# Altium PCB HPowerv2.PcbDoc
Units mm, origin at the board's own origin, x right, y up, seen from the top; angles counter-clockwise.
Board outline 52.32 x 76.58 mm, 2 copper layers (Top Layer, Bottom Layer); 35 components, 15 nets, 108 pads, 4 vias.
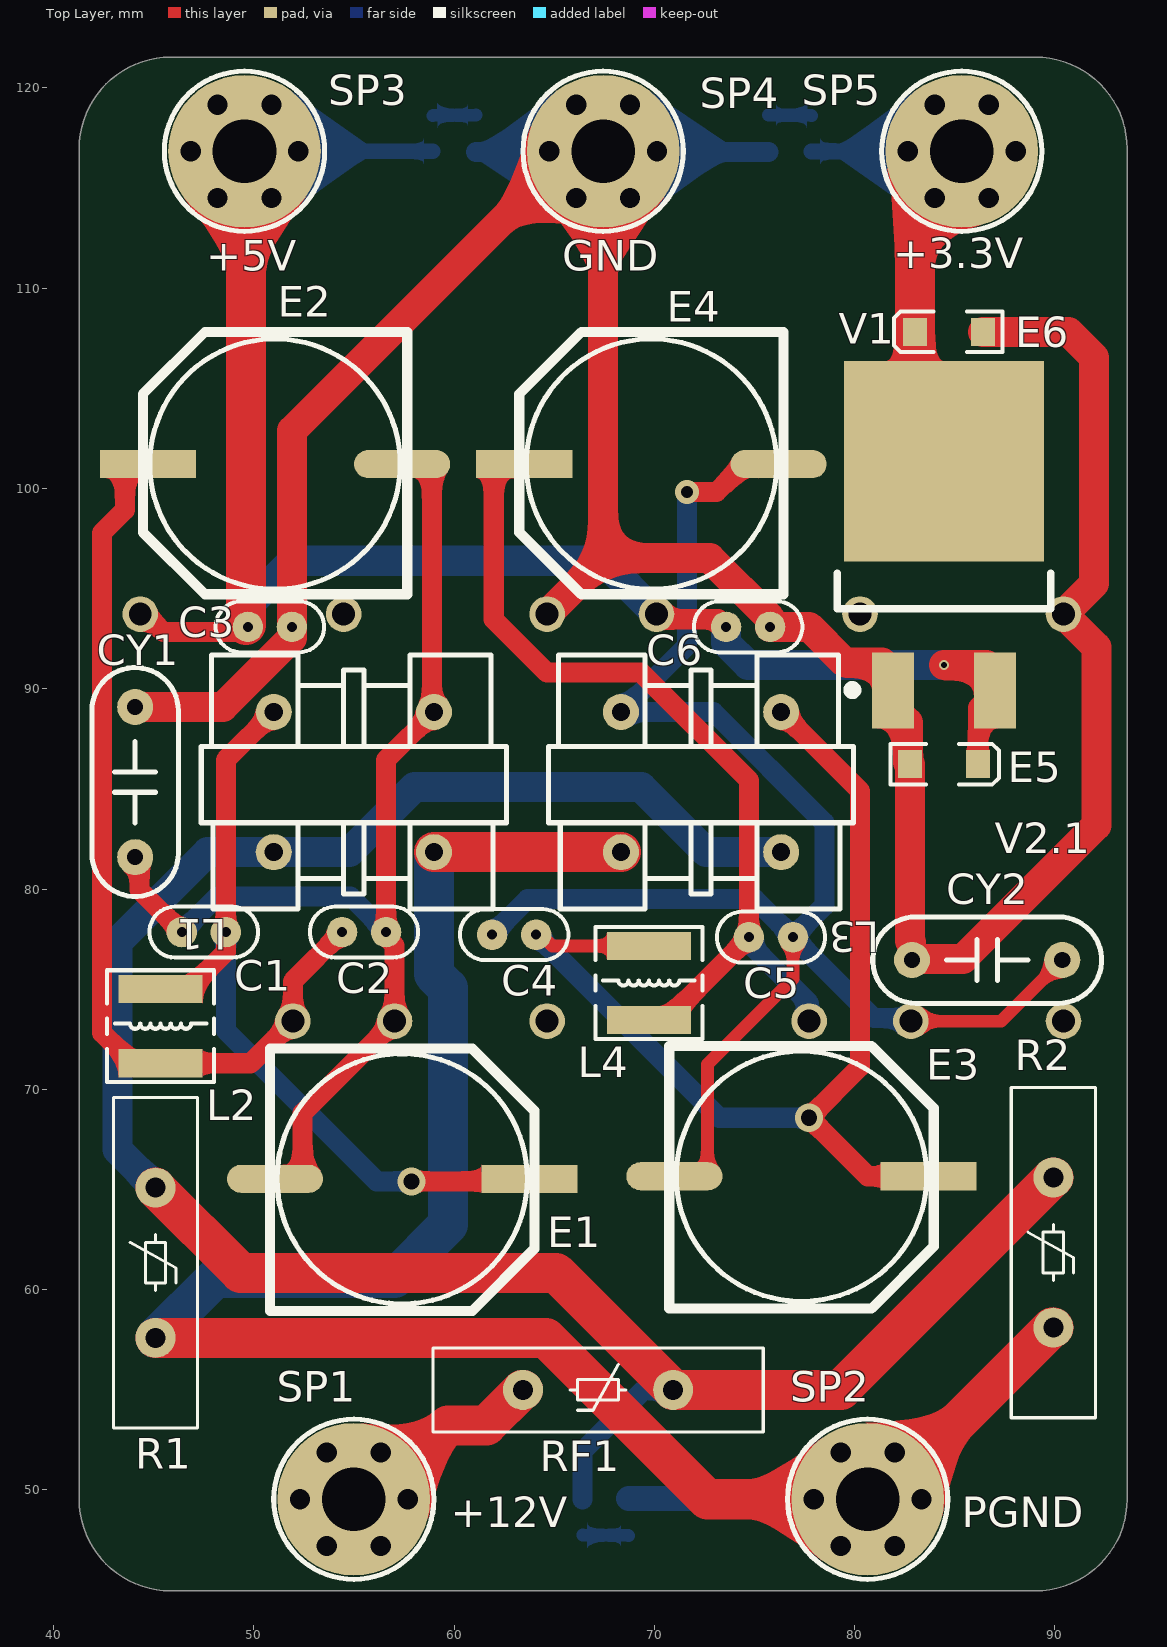
[diagram p0: Top Layer view]
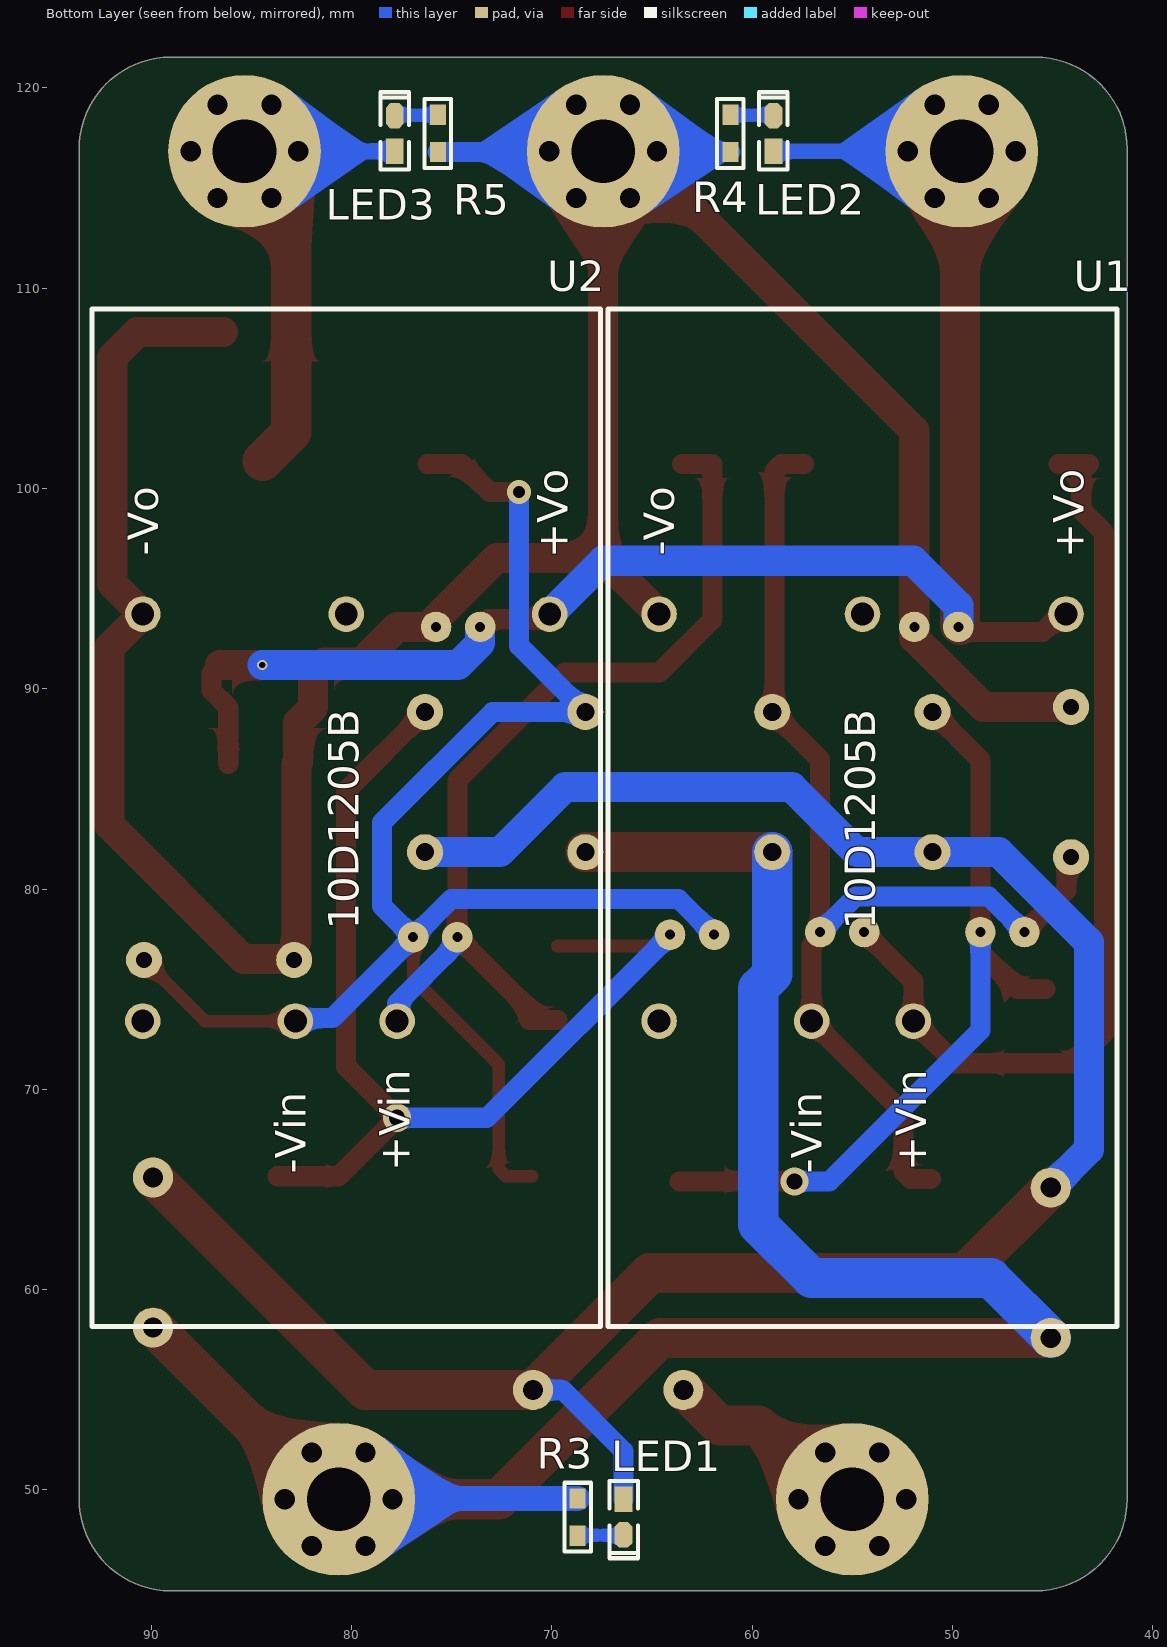
[diagram p1: Bottom Layer view, seen from below]
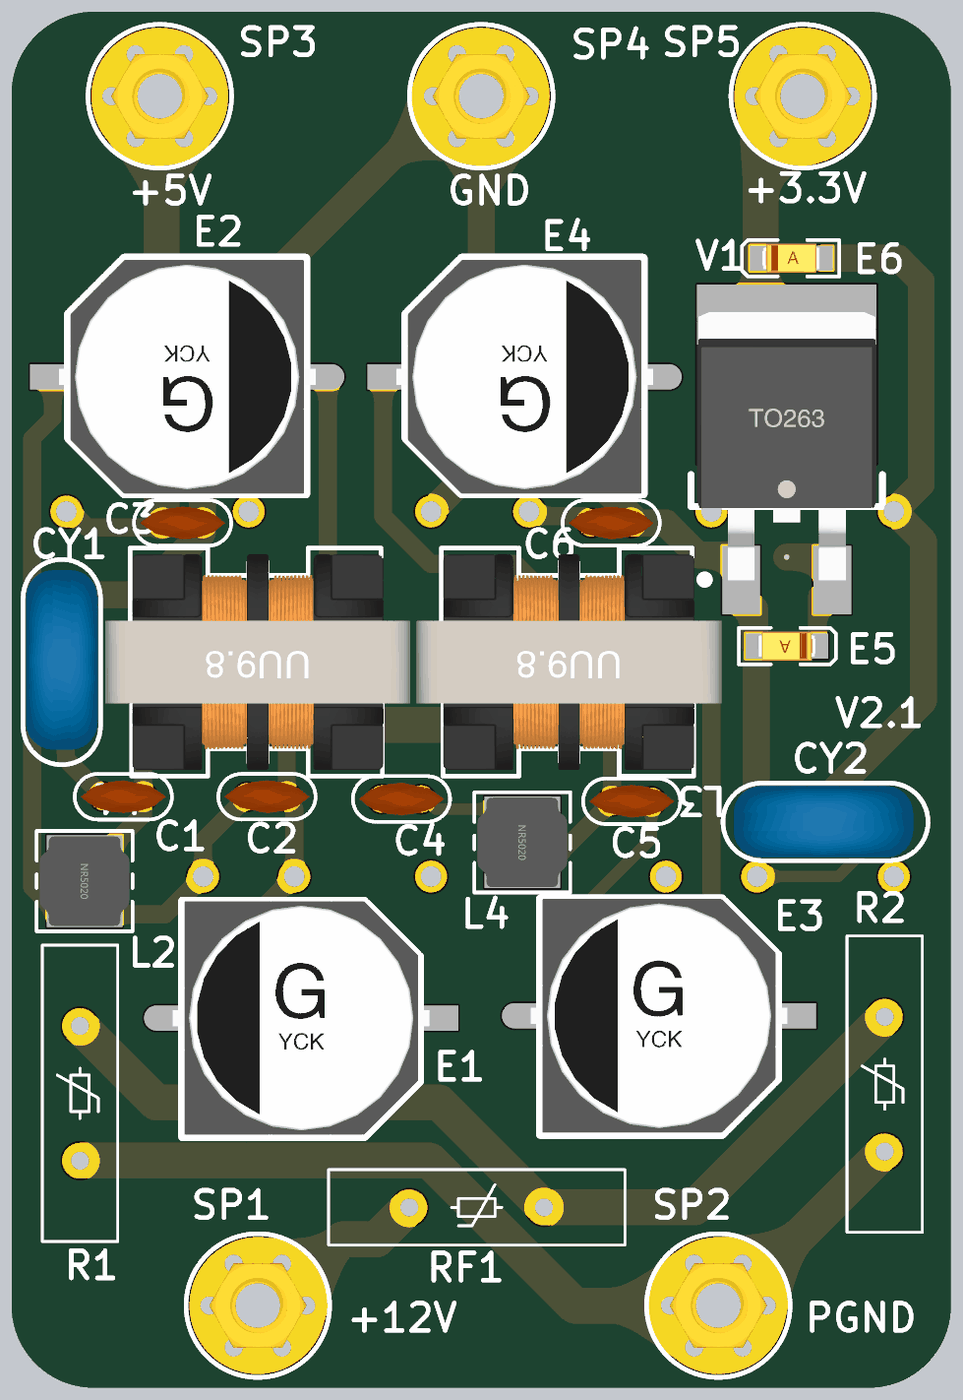
[diagram p2: 3D render of the assembled board from above, using the file's embedded part models]
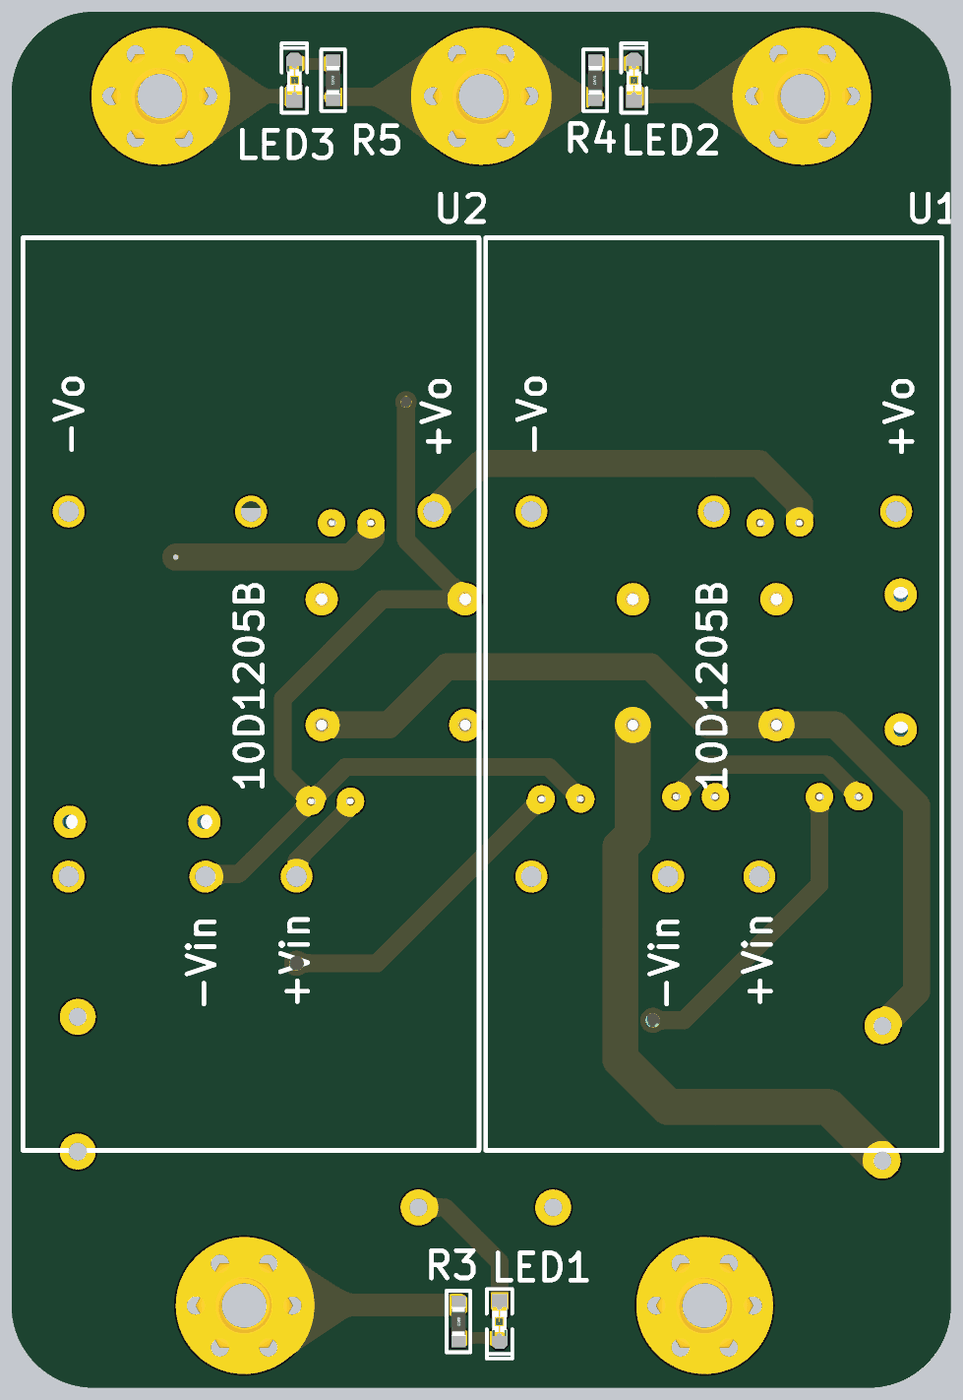
[diagram p3: 3D render of the assembled board from below, using the file's embedded part models]

## Layer stack, top to bottom
Top Solder: solder mask 0.0102, Solder Resist, Dk 3.5
Top Layer: signal copper 0.0356
Dielectric 1: dielectric 0.32, FR-4, Dk 4.8
Bottom Layer: signal copper 0.0356
Bottom Solder: solder mask 0.0102, Solder Resist, Dk 3.5

## Board outline
45.847,44.958 cw(c45.847,49.53) 41.275,49.53 41.275,116.967 cw(c45.847,116.967) 45.847,121.539 89.027,121.539 cw(c89.027,116.967) 93.599,116.967 93.599,49.53 cw(c89.027,49.53) 89.027,44.958

## Design rules (kind name [scope] priority, off if disabled: settings)
Clearance [All] p1: gap=0 ignorepadtopadclearanceinfootprint=TRUE
HoleSize [All] p1: absolutevalues=TRUE maxlimit=7.62 minlimit=0.025 maxpercent=80.000 minpercent=20.000
PolygonConnect [All] p1: connectstyle=Relief reliefconductorwidth=0.254 reliefentries=4 polygonreliefangle="90 Angle" airgapwidth=0.254
RoutingVias [All] p1: holewidth=0.711 width=1.27 viastyle="Through Hole" minholewidth=0.508 minwidth=0.508 maxholewidth=7.62 maxwidth=15.24
SolderMaskExpansion [All] p1: expansion=0.102
Width Width_GND [InNet('GND')] p1: maxlimit=2.54 minlimit=0.254 preferedwidth=1.016 minimp=50.000000 maximp=50.000000 favimp=50.000000
Width Width_5V [InNet('+5')] p2: maxlimit=2.54 minlimit=0.254 preferedwidth=0.762 minimp=50.000000 maximp=50.000000 favimp=50.000000
Width Width_3v3 [InNet('+3.3')] p3: maxlimit=2.54 minlimit=0.254 preferedwidth=0.762 minimp=50.000000 maximp=50.000000 favimp=50.000000
Width Width_12VPr [InNet('NetL1_1')] p4: maxlimit=2.54 minlimit=0.254 preferedwidth=0.635 minimp=50.000000 maximp=50.000000 favimp=50.000000
Width Width_PGND [InNet('PGND')] p5: maxlimit=2.54 minlimit=0.254 preferedwidth=1.27 minimp=50.000000 maximp=50.000000 favimp=50.000000
Width Width_12V [InNet('+12')] p6: maxlimit=2.54 minlimit=0.254 preferedwidth=1.27 minimp=50.000000 maximp=50.000000 favimp=50.000000
Width [All] p7: maxlimit=2.54 minlimit=0.152 preferedwidth=0.635 minimp=50.000000 maximp=50.000000 favimp=50.000000
29 further rules are at their usual default settings.

## Components (designator, comment, footprint, x,y, rotation, side; value= is the part's Value field where it differs from the comment)
C1 "1uF" "CC 2.2*5" 47.498,77.851 r180 top
C2 "1uF" "CC 2.2*5" 55.499,77.851 r0 top
C3 "1uF" "CC 2.2*5" 50.8,93.091 r0 top
C4 "1uF" "CC 2.2*5" 62.992,77.724 r180 top
C5 "1uF" "CC 2.2*5" 75.819,77.597 r0 top
C6 "1uF" "CC 2.2*5" 74.676,93.091 r0 top
CY1 "1nF/250V" "CY 7.5*10*4" 44.069,85.344 r90 top
CY2 "1nF/250V" "CY 7.5*10*4" 86.614,76.454 r180 top
E1 "470uF/50V" "CM G(12.5*13.5)" 57.404,65.532 r0 top
E2 "470uF/50V" "CM G(12.5*13.5)" 51.054,101.219 r180 top
E3 "470uF/50V" "CM G(12.5*13.5)" 77.343,65.659 r0 top
E4 "470uF/50V" "CM G(12.5*13.5)" 69.85,101.219 r180 top
E5 "10uF/6.3V" "CD A(3216)" 84.455,86.233 r180 top
E6 "10uF/6.3V" "CD A(3216)" 84.709,107.823 r0 top
L1 "2mH" UU9.8 54.991,85.344 r180 top
L2 "4.7uH" NR5020 45.339,73.152 r270 top
L3 "2mH" UU9.8 72.326,85.344 r180 top
L4 "4.7uH" NR5020 69.723,75.311 r270 top
LED1 "红色" "LED 0603R" 66.421,48.641 r270 bottom
LED2 "绿色" "LED 0603G" 58.928,117.729 r90 bottom
LED3 "蓝色" "LED 0603B" 77.838,117.729 r90 bottom
R1 "330K" 14D 45.085,61.341 r90 top
R2 "330K" 14D 89.916,61.849 r90 top
R3 "4.7K" "R 0603_M" 68.707,48.641 r270 bottom
R4 "4.7K" "R 0603_M" 61.087,117.729 r90 bottom
R5 "4.7K" "R 0603_M" 75.692,117.729 r90 bottom
RF1 "16V 5A" 14D 67.183,54.991 r0 top
SP1 "M3铜柱" M3x14_N 54.991,49.53 r0 top
SP2 "M3铜柱" M3x14_N 80.645,49.53 r0 top
SP3 "M3铜柱" M3x14_N 49.53,116.84 r0 top
SP4 "M3铜柱" M3x14_N 67.437,116.84 r0 top
SP5 "M3铜柱" M3x14_N 85.344,116.84 r0 top
U1 "10D1205B" 10D12B-10WDCDC 54.483,83.566 r90 bottom
U2 "10D1205B" 10D12B-10WDCDC 80.264,83.566 r90 bottom
V1 "AIC1084-3.3V" TO263-3B 84.455,101.366 r0 top

## Footprints (in the part's own frame and the unit in brackets; to place one, negate y for a bottom-side part, rotate by r counter-clockwise, add the part's x,y. Pads: shape width x height; smd on the part's side, far side on the other; paste and mask are expansions set on the pad)
10D12B-10WDCDC [mil]
  round 70 hole 45: 0(-400,400) 0(400,0) 1(-400,-100) 2(-400,100) 3(400,400) 4(400,-400)
  silkscreen extent -1000,-500 1000,500
14D [mm]
  round 2 hole 1: 1(-3.75,0) 2(3.75,0)
  silkscreen extent -8.25,-2.1 8.25,2.1
"CC 2.2*5" [mm] "脚距2.2mm直径5mm"
  round 1.524 hole 0.5: 1(-1.1,0) 2(1.1,0)
  silkscreen extent -2.71,-1.27 2.71,1.27, body extent -2.4,-0.92 2.4,0.92, height 4.8
"CD A(3216)" [mm] "长3.2mm，宽1.6mm，厚1.6mm"
  rect 1.2x1.4 smd: 1(-1.7,0) 2(1.7,0)
  silkscreen extent -2.74,-1.02 2.67,1.02, body extent -1.6,-0.8 1.6,0.8, height 1.6
"CM G(12.5*13.5)" [mm] "贴片电解电容，直径12.5mm，高13.5mm"
  rect 4.8x1.4 smd: 1(6.35,0)
  oval 4.8x1.4 smd: 2(-6.35,0)
  silkscreen extent -6.6,-6.6 6.6,6.5, body extent -7.15,-6.5 7.15,6.5, height 13.5
"CY 7.5*10*4" [mm] "脚距7.5mm，直径10mm，厚4mm"
  round 1.8 hole 0.8: 1(-3.75,0) 2(3.75,0)
  silkscreen extent -5.71,-2.16 5.71,2.16, body extent -4.88,-2 5.12,2, height 10.2
"LED 0603B" [mil] "蓝色0603LED"
  rect 50x35 smd: 1(-35,0.26)
  oct 50x35 smd: 2(35,0.26)
  silkscreen extent -71,-28 81,28, body extent -31,-16 31,16, height 24
"LED 0603G" [mil] "绿色0603LED"
  rect 50x35 smd: 1(-35,0.26)
  oct 50x35 smd: 2(35,0.26)
  silkscreen extent -71,-28 81,28, body extent -31,-16 31,16, height 24
"LED 0603R" [mil] "红色0603LED"
  rect 50x35 smd: 1(-35,0.26)
  oct 50x35 smd: 2(35,0.26)
  silkscreen extent -71,-28 81,28, body extent -31,-16 31,16, height 24
M3x14_N [mil] "M3铜柱，长：14mm"
  round 40 hole 40: 1(-106,0) 1(-53,-91.8) 1(-53,91.8) 1(53,-91.8) 1(53,91.8) 1(106,0)
  round 300 hole 125: 1(0,0)
  silkscreen extent -157,-157 157,157, body extent -106,-93 106,93, height 553
NR5020 [mm] "5.0mm*5.0mm*2.0mm(长*宽*高）"
  rect 1.4x4.2 smd: 1(-1.85,0) 2(1.85,0)
  silkscreen extent -2.79,-2.67 2.79,2.67, body extent -2.5,-2.5 2.5,2.5, height 2.1
"R 0603_M" [mil] "1/10W贴片电阻"
  rect 40x31.5 smd: 1(-36.5,0) 2(36.5,0)
  silkscreen extent -68,-26 68,26, body extent -31,-16 31,16, height 16
TO263-3B [mm] "263，3脚晶体管"
  rect 2.1x3.8 smd: 1(-2.54,-11.45) 3(2.54,-11.45)
  rect 10x10 smd: 2(0,0)
  silkscreen extent -5.33,-11.63 5.33,-5.59, body extent -5,-11.46 5,3.47, height 4.5
UU9.8 [mm] "17*12*17mm(长宽高）"
  round 1.8 hole 0.9: 1(-4,3.5) 2(-4,-3.5) 3(4,-3.5) 4(4,3.5)
  silkscreen extent -7.62,-6.35 7.62,6.35, body extent -8.5,-6 8.5,6, height 17.05

## Part data
C1 C2 C3 C4 C5 C6: library part C-CC, "直插瓷片电容"
CY1 CY2: library part C-CY, "高压陶瓷电容，Y电容"
E1 E2 E3 E4: library part C-CM, "贴片电解电容"
E5 E6: library part C-CD, "贴片钽电容"
L1 L3: library part L-CMC, "共模电感"
L2 L4: library part L-NR, "NR磁胶电感"
LED1 LED2 LED3: library part LED-SMD, "贴片LED", 学习资源=www.o
R1 R2: library part R_VDR, "压敏电阻", 学习资源=www.o
R3 R4 R5: library part R, "贴片电阻"
RF1: library part PPTC, "PPTC自恢复保险丝", BOM名称=PPTC, 学习资源=www.o
SP1 SP2 SP3 SP4 SP5: library part 铜柱大焊盘, "铜柱"
U1 U2: "DC-DC 12V转5V隔离降压模块"
V1: library part AIC1084, "大功率LDO"

## Via types
v1: diameter 1.4, hole 0.8, Top Layer to Bottom Layer, tented both sides, 2 vias
v2: diameter 0.508, hole 0.305, Top Layer to Bottom Layer, tented both sides, 1 vias
v3: diameter 1.2, hole 0.6, Top Layer to Bottom Layer, tented both sides, 1 vias

## Nets (pads, with @x,y where several pads share a name; then routed paths per layer and width w, separated by ;. In a path a pad name is that pad's centre, name@x,y a point inside that pad or via, vN(x,y) a via of type N, cw(c..) or ccw(c..) an arc to the next point about the centre after c; other vN are vias at no path point)
+3.3: E6.1 LED3.1 SP5.1 V1.2 | length 24.5
  Top Layer w2: V1.2 83.009,102.812 E6.1 83.009,114.505 SP5.1@85.344,116.84
  Bottom Layer w0.8: LED3.1 SP5.1@85.344,116.84
+5: C3.1 C6.1 E5.1 LED2.1 SP3.1 U1.4 U2.4 V1.3 | length 86
  Top Layer w0.762: U2.4 70.379,93.726 U2.4@70.633,93.472
  Top Layer w1: U1.4 44.598,93.726 45.487,92.837 49.446,92.837 C3.1 C3.1@49.615,93.176 ; SP3.1@49.53,116.84 SP3.1@49.615,116.755 ; U2.4@70.633,93.472 73.195,93.472 C6.1 ; E5.1 86.155,89.076 V1.3 86.995,90.766 V1.3@86.575,91.186
  Top Layer w1.5: v2(84.455,91.186) V1.3@86.575,91.186
  Top Layer w2: C3.1@49.615,93.176 SP3.1@49.615,116.755
  Bottom Layer w0.762: SP3.1@49.53,116.84 LED2.1
  Bottom Layer w1.5: C3.1 49.7,94.15 51.943,96.393 67.437,96.393 U2.4 ; C6.1 73.576,92.286 74.676,91.186 v2(84.455,91.186)
+12: RF1.1 SP1.1 | length 10.7
  Top Layer w2: SP1.1@54.991,49.53 56.007,49.53 59.69,53.213 61.611,53.213 63.389,54.991 RF1.1
GND: C3.2 C6.2 CY1.2 CY2.2 E5.2 E6.2 R4.1 R5.1 SP4.1 U1.3 U2.3 V1.1 | length 153.6
  Top Layer w1.5: CY1.2 48.454,89.094 51.9,92.54 C3.2 51.9,102.891 64.585,115.576 66.173,115.576 67.437,116.84 67.437,96.52 ; U1.3 67.437,96.52 ; CY2.2@82.809,77.348 82.755,77.403 E5.2 82.663,86.325 82.663,88.318 81.915,89.066 V1.1 81.915,90.766 81.373,91.308 79.507,91.308 77.724,93.091 C6.2 75.776,93.515 72.771,96.52 67.437,96.52 ; CY2.2 82.809,76.509 85.399,76.509 92.075,83.185 92.075,92.075 U2.3 91.948,95.25 91.948,106.553 90.678,107.823 E6.2
  Bottom Layer w1.016: R4.1 67.399,116.802 67.437,116.84 67.475,116.802 R5.1
NetC1_1: C1.1 E1.1 L1.3 L2.1 | length 40.2
  Top Layer w0.635: E1.1@63.627,65.405 E1.1
  Top Layer w1: L2.1 46.739,75.002 48.598,76.861 C1.1 48.598,86.451 L1.3 ; v1(57.877,65.405) E1.1@63.627,65.405
  Bottom Layer w1: C1.1 48.598,72.941 56.134,65.405 v1(57.877,65.405)
NetC1_2: C1.2 C2.2 CY1.1 E1.2 E2.2 L1.2 U1.2 | length 57.6
  Top Layer w0.635: CY1.1 CY1.1@44.292,81.371
  Top Layer w1: CY1.1@44.292,81.371 44.292,79.957 C1.2 ; E1.2 52.083,65.532 52.437,65.885 52.437,68.82 U1.2 57.023,77.186 56.599,77.61 C2.2 56.599,86.452 L1.2 58.889,88.946 58.889,100.866 58.535,101.219 E2.2
  Bottom Layer w1: C1.2 48.176,79.629 54.821,79.629 C2.2
NetC2_1: C2.1 E2.1 L2.2 U1.1 | length 47
  Top Layer w1: E2.1 43.181,101.219 43.561,100.839 43.561,98.933 42.418,97.79 42.418,72.823 43.939,71.302 L2.2 49.839,71.302 U1.1 51.943,75.395 C2.1
NetC4_1: C4.1 E3.1 L3.2 L4.1 | length 53.4
  Top Layer w0.635: C4.1 64.333,77.724 64.896,77.161 L4.1
  Top Layer w1: L3.2 80.264,84.906 80.264,71.12 v1(77.724,68.58) 80.645,65.659 E3.1
  Bottom Layer w1: C4.1 73.236,68.58 v1(77.724,68.58)
NetC4_2: C4.2 C5.2 CY2.1 E3.2 E4.2 L3.3 U2.2 | length 84.5
  Top Layer w0.635: E3.2 72.292,65.659 72.645,66.012 72.645,71.248 76.919,75.522 C5.2 ; U2.2 87.316,73.406 CY2.1
  Top Layer w1: v3(71.628,99.822) 73.103,99.822 74.5,101.219 E4.2
  Bottom Layer w1: C4.2 63.67,79.502 75.014,79.502 C5.2 ; v3(71.628,99.822) 71.628,92.146 L3.3 72.954,88.844 78.486,83.312 78.486,79.164 C5.2 ; U2.2 82.656,73.554 80.962,73.554 C5.2
NetC5_1: C5.1 E4.1 L4.2 U2.1 | length 45.9
  Top Layer w1: E4.1 61.976,101.219 61.976,93.463 64.634,90.805 69.342,90.805 74.719,85.428 C5.1 70.853,73.731 71.123,73.461 L4.2
  Bottom Layer w0.635: C5.1 74.889,77.427 C5.1@74.889,77.13 ; U2.1 77.724,74.295
  Bottom Layer w1: C5.1@74.889,77.13 77.724,74.295
NetL1_4: L1.4 L3.1 LED1.1 R1.2 R2.2 RF1.2 | length 112.3
  Top Layer w2: R1.2 49.343,60.833 65.091,60.833 RF1.2 79.308,54.991 R2.2
  Bottom Layer w1: LED1.1 66.414,51.936 69.469,54.991 RF1.2
  Bottom Layer w1.5: R1.2 43.18,66.996 43.18,77.343 47.681,81.844 L1.4 54.764,81.844 58.01,85.09 69.342,85.09 72.588,81.844 L3.1
NetLED1_2: LED1.2 R3.2 | length 2.3
  Bottom Layer w0.635: LED1.2 66.433,47.733 68.688,47.733 R3.2
NetLED2_2: LED2.2 R4.2 | length 2.2
  Bottom Layer w0.635: LED2.2 58.953,118.637 61.068,118.637 R4.2
NetLED3_2: LED3.2 R5.2 | length 2.2
  Bottom Layer w0.635: R5.2 75.711,118.637 77.826,118.637 LED3.2
PGND: L1.1 L3.4 R1.1 R2.1 R3.1 SP2.1 | length 108.8
  Top Layer w2: R1.1 64.583,57.591 72.644,49.53 77.953,49.53 80.645,49.53 81.276,49.53 89.845,58.099 R2.1 ; L1.1 L3.4
  Bottom Layer w1.27: R3.1 80.607,49.568 SP2.1@80.645,49.53
  Bottom Layer w2: R1.1 48.073,60.579 57.023,60.579 59.69,63.246 59.69,75.057 58.991,75.756 L1.1
pads on no net: U1.0 U2.0

## Silkscreen, mask and mechanical layers (free items; w line width, h text height)
Top Overlay:
  text "+3.3V" at 81.915,110.998 h1.52
  text "+5V" at 47.625,110.871 h1.52
  text "GND" at 65.405,110.871 h1.52
  text "V2.1" at 86.995,81.788 h1.52
  text "+12V" at 59.817,48.133 h1.52
  text "PGND" at 85.344,48.133 h1.52
Mechanical 1:
  the board outline again, w0.254

## Text inside footprints (layer, text, board x,y; h text height)
U1: Bottom Overlay "-Vin" at 56.515,65.786 h1.52 r270; Bottom Overlay "+Vin" at 51.308,65.913 h1.52 r270; Bottom Overlay "+Vo" at 43.434,96.52 h1.52 r270; Bottom Overlay "-Vo" at 63.881,96.647 h1.52 r270
U2: Bottom Overlay "-Vin" at 82.296,65.786 h1.52 r270; Bottom Overlay "+Vin" at 77.089,65.913 h1.52 r270; Bottom Overlay "+Vo" at 69.215,96.52 h1.52 r270; Bottom Overlay "-Vo" at 89.662,96.647 h1.52 r270